# Allegro board pc053c_toplevel_43solder.brd (continued)
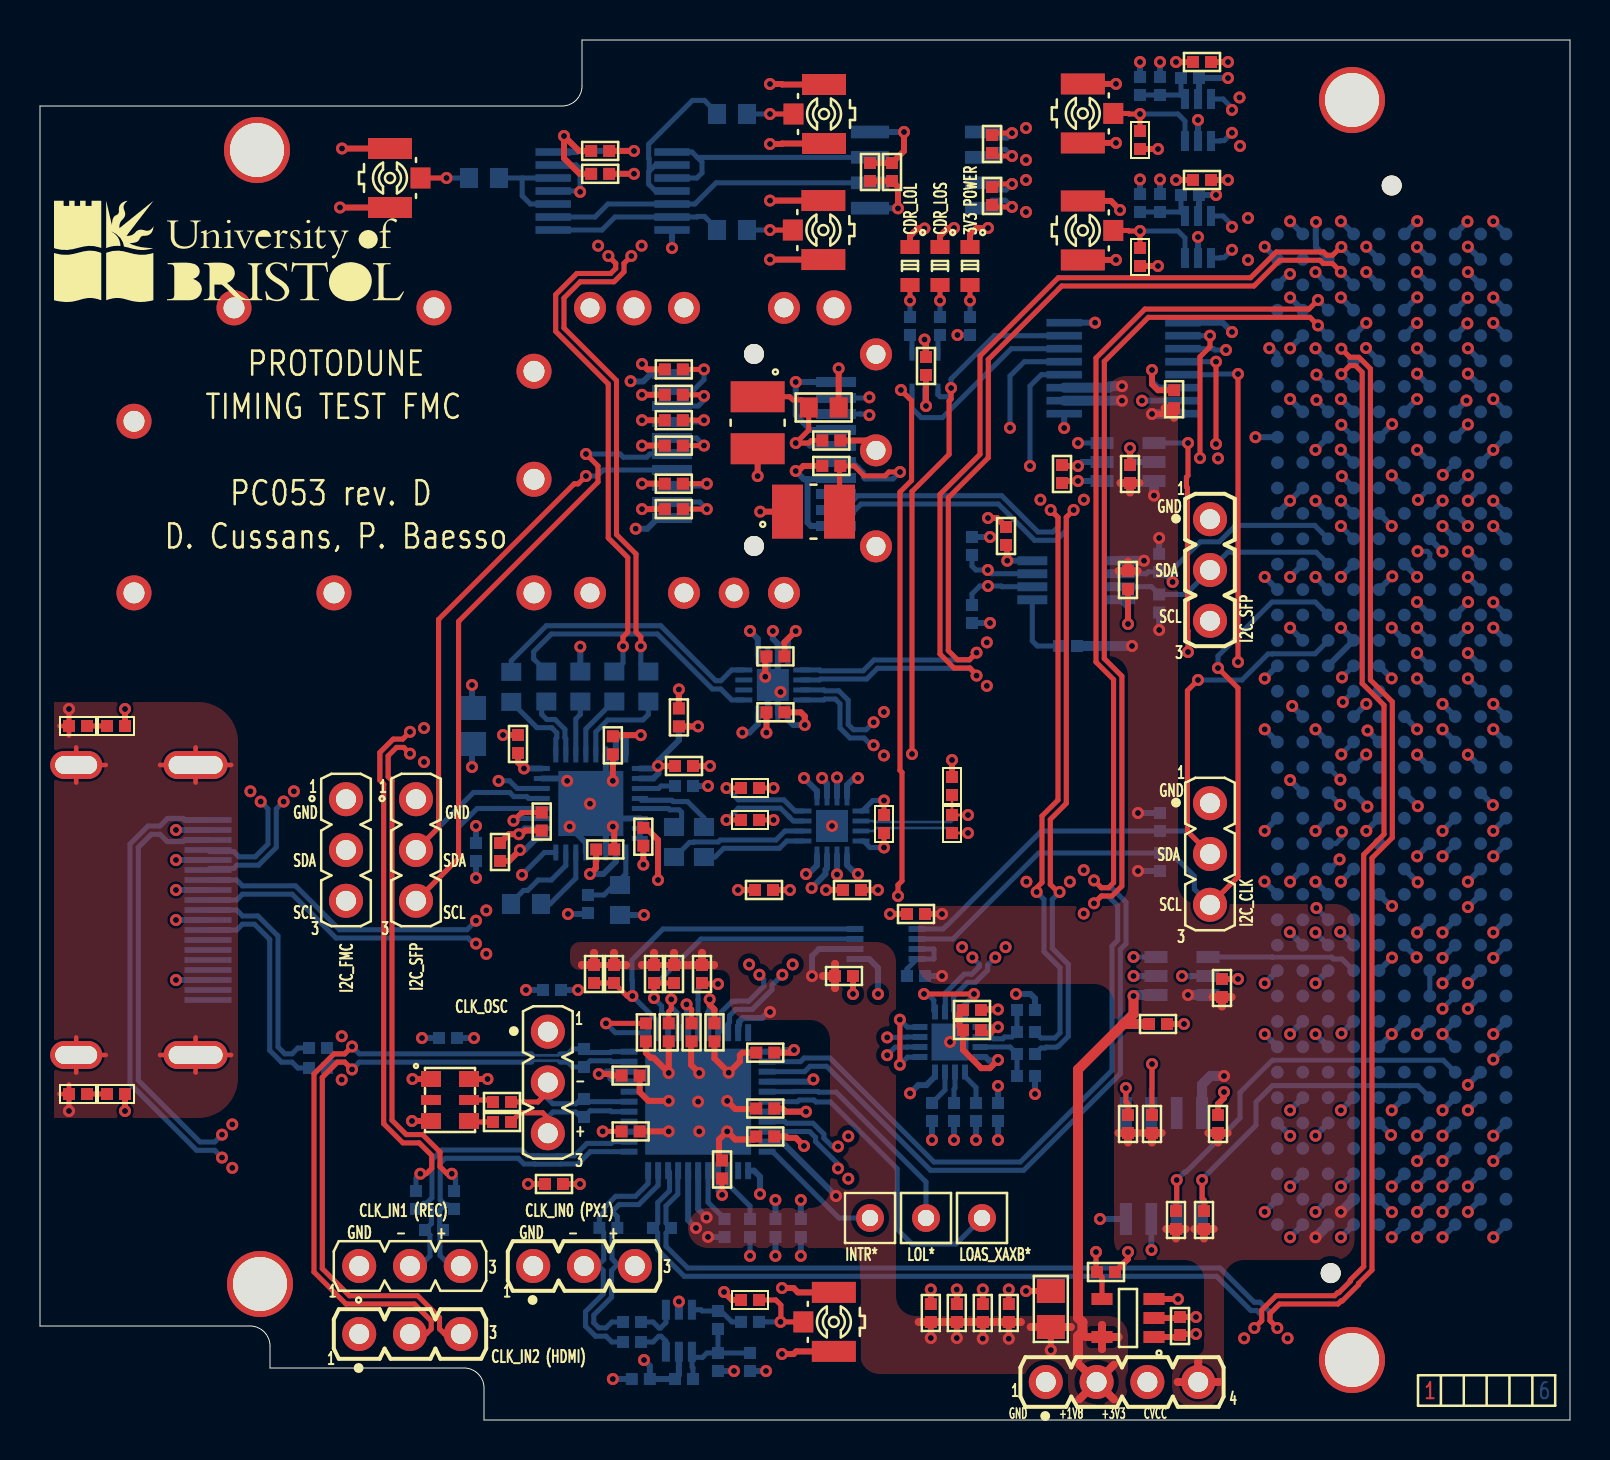
[diagram p0: board, top side]
## Routing (per net, layer and track width the routed paths; a pad name or vN(x,y) marks a point on that pad's centre or on a via; arc(x,y) is an arc through that point) (continued)
P3V3: length 123.4
  TOP w0.3: C45.2 37.29,14.18 37.36,14.11 37.79,14.11 v1(38.2,13.7) ; C107.2 48.36,43.69 v1(48.36,42.96) ; C72.2 38.04,35.38 38.24,35.19 v1(38.24,34.75) ; C55.1 v1(59.4,67.9) ; REG1.1 56.95,4.15 57,4.1 ; C56.1 v1(59.4,62) ; v1(47.9,20.53) 47.08,20.53 C7.2 ; C32.2 37.13,15.57 37.28,15.42 v1(38.3,15.42) ; v1(27.5,27.3) 27.79,27.59 27.79,27.93 27.81,27.95 C36.2 ; C8.2 47.05,19.4 47.1,19.35 47.53,19.35 47.82,19.64 v1(47.9,19.64) ; v1(51.9,46.95) 51.2,46.95 C66.2 ; R24.2 v1(30.1,49.99) ; v1(30.1,52.8) 30.37,52.53 R22.1 ; R57.2 24.26,29.47 24.07,29.29 v1(23.94,29.29) 23.44,29.29 C30.2 ; QZ1.1 v1(18.62,17.05) ; v1(43.2,64.4) 43.2,63.45 C57.2 C58.2 ; C40.2 v1(30.9,32.7) ; C34.2 v1(32.9,34.68) ; v1(24.2,32.58) 23.9,32.88 C37.2 ; C73.2 v1(45.6,33) ; L2.1 v1(36.01,45.42) ; v1(57.8,4.3) 57.2,4.3 57,4.1 ; v1(33.48,21.03) 33.48,20.77 33.72,20.53 C49.2 ; C69.2 v1(37.5,26.5) ; C15.2 44.3,53.8 44.23,53.87 v1(44.23,54.02) ; v1(30.04,34.24) 28.7,34.24 C33.2 ; C70.2 v1(41.9,26.5) ; C31.2 28.58,17.22 28.5,17.3 v1(27.94,17.3) ; v1(29.7,63.45) C59.2 ; 57,4.1 C9.2 ; C29.2 v1(30.17,27.77) ; L1.2 v1(35.88,47.2) ; C60.2 v1(29.7,62.31) ; v1(22.38,17.05) QZ1.6 ; v1(37.7,18.5) 37.57,18.37 C46.2 ; R29.1 v1(30.1,45.55) ; C71.2 37.22,38.88 v1(37.79,39.45) ; R23.1 v1(30.1,51.26) ; C48.2 v1(27,11.8) ; REG1.3 v1(56.9,6.05) ; R28.1 v1(30.1,46.81) ; R25.2 v1(30.1,48.72)
  L5_PWR w0.4: 54.34,1.9 J11.3 ; J11.3 56.4,1.9 ; J11.3 55.37,0.87 ; J11.3 55.37,2.93
  BOTTOM w0.3: v1(29.7,63.45) 26.88,63.45 26.83,63.4 IC9.14 ; IC3.9 47.01,19.64 v1(47.9,19.64) ; v1(40.9,32.1) 40.7,32.1 40.35,31.75 IC13.16 ; C35.2 v1(21.6,32.65) ; P1.D36 v1(68.85,14.21) ; IC12.2 30.67,32.08 30.92,32.33 30.92,32.59 ; IC4.18 33.41,20.38 33.48,20.46 v1(33.48,21.03) ; v1(38.67,17.03) 38.55,16.92 IC4.26 ; v1(59.4,67.1) R35.2 57.95,66.5 57.9,66.45 IC6.5 ; IC17.16 35.89,34.79 35.47,34.37 v1(35.12,34.37) ; v1(38.2,32.1) 38.85,31.45 IC13.13 ; v1(44.23,54.02) 44.23,53.87 44.25,53.85 IC18.5 ; IC13.8 38.85,27.73 38.42,27.3 v1(38.3,27.3) ; v1(51.9,46.95) IC14.1 ; IC12.32 29.29,34.23 29.28,34.24 ; R4.2 v1(45.7,14) ; IC12.31 28.79,34.01 29.02,34.24 29.28,34.24 ; 28.52,17.42 IC4.9 ; 28.52,17.42 28.52,17.1 28.7,16.92 IC4.8 ; 28.52,17.42 28.32,17.42 28.2,17.3 v1(27.94,17.3) ; v1(43.5,16.34) 43.91,16.74 44.32,16.74 44.75,17.18 IC3.16 ; IC5.5 31.94,2.25 R32.2 C54.1 30.49,2.71 v1(30.2,3) ; IC17.8 37.39,39.05 v1(37.79,39.45) ; IC12.1 30.91,32.58 30.92,32.59 ; 30.92,32.59 30.92,32.97 31.94,33.99 C34.2 v1(32.9,34.68) ; IC7.5 57.9,60.6 57.95,60.65 R37.2 v1(58.8,61.25) ; IC12.18 24.23,29.58 v1(23.94,29.29) ; v1(35.5,39.45) 35.89,39.06 IC17.5 ; v1(38.24,34.75) 37.67,34.75 37.39,35.03 IC17.13 ; v1(40.9,27.3) 40.8,27.3 40.35,27.75 IC13.5 ; IC8.8 v1(43.2,64.4) ; IC4.23 37.07,18.42 37.16,18.5 v1(37.7,18.5) ; v1(47.5,39.85) R140.1 ; IC12.12 27.79,27.59 v1(27.5,27.3) 28.17,27.3 28.79,27.92 IC12.10 ; C10.2 v1(36.77,11) ; v1(30.04,34.24) 29.28,34.24 ; P1.C39 v1(70.12,10.41) ; C3.1 v1(21.7,19.1) ; v1(36,11.3) 36,12.17 35.7,12.47 35.41,12.47 ; P1.D38 v1(68.85,11.68) ; IC12.24 v1(24.2,32.58) ; IC15.8 v1(48.36,42.96) ; v1(47.5,44.15) R411.1 ; C47.2 v1(38.04,11) ; C6.1 v1(24.3,21.5) ; P1.D40 v1(68.85,9.13) ; v1(38.3,15.42) IC4.29 ; C5.1 v1(47.9,16.7) ; R56.2 v1(45.87,54.25) ; IC10.1 v1(51.21,49.6) ; C4.1 v1(21.8,29.7)
P12V: length 5
  L4_SIGN w0.3: v1(70.12,12.95) 70.93,13.75 70.93,14.68 v1(70.12,15.48)
  BOTTOM w0.3: P1.C35 v1(70.12,15.48) ; P1.C37 v1(70.12,12.95)
CDR_LOL: length 58.4
  TOP w0.254: v1(43.05,51.5) 43.58,50.97 43.58,46.98 43,46.4 43,32.48 43.1,32.38 43.1,26.95 42.9,26.75 v1(42.9,26.2)
  L3_SIGN w0.254: v1(24.1,27.26) 25.45,25.91 42.61,25.91 v1(42.9,26.2)
  BOTTOM w0.254: v1(24.1,27.26) 25.22,28.38 IC12.16 ; 43.6,51.09 43.6,50.58 44.06,50.12 45.12,50.12 48.56,53.56 IC10.6 ; 43.6,51.09 IC18.3 ; 43.6,51.09 43.46,51.09 v1(43.05,51.5)
CDR_LOS: length 52
  TOP w0.254: v1(45.55,51.6) 45.55,51.05 45.45,50.95 45.45,48.28 43.6,46.43 v1(43.6,33.3)
  L3_SIGN w0.254: v1(22.93,31.96) 23.58,31.3 26.52,31.3 26.82,31.6 28,31.6 28.58,31.02 35.22,31.02 36.9,32.7 39.61,32.7 39.61,32.7 41.1,32.7 41.12,32.68 41.14,32.68 41.17,32.65 42.43,32.65 42.49,32.7 43,32.7 v1(43.6,33.3)
  BOTTOM w0.254: IC12.22 23.86,31.58 23.48,31.96 v1(22.93,31.96) ; IC18.1 44.9,51.27 45.01,51.16 45.37,51.16 45.55,51.35 v1(45.55,51.6) 45.55,52.05 47.71,54.22 51.21,54.22
CLK_IN0_N: length 13
  BOTTOM w0.254: C26.2 28.6,3.9 28.3,4.19 27.77,4.19 27.28,4.69 27.28,5.42 28.16,6.31 28.16,7.48 27.91,7.73 27.9,7.73 ; 30.41,12.47 30.41,11.82 29.77,11.19 28.79,11.19 28.21,10.61 28.21,10.41 27.97,10.17 R9.2 28.19,9.39 28.19,8.02 27.9,7.73 ; 27.9,7.73 27.23,7.73 J9.2
CLK_IN0_P: length 12.6
  BOTTOM w0.254: 28.92,7.73 28.83,7.73 28.58,7.48 28.58,6.14 27.69,5.25 27.69,4.86 27.94,4.61 28.3,4.61 28.6,4.9 C23.2 ; 28.92,7.73 29.71,7.73 J9.3 ; 28.92,7.73 28.71,7.94 28.71,7.95 28.6,8.06 28.6,9.34 28.87,9.6 28.87,10.17 28.63,10.41 28.63,10.44 28.96,10.77 29.94,10.77 30.91,11.74 30.91,12.47
CLK_IN1_N: length 17.6
  BOTTOM w0.254: 19.32,10.83 19.18,10.83 18.9,10.55 C27.2 ; 19.32,10.83 19.6,11.11 19.6,13 20.09,13.5 24.09,13.5 24.37,13.21 24.92,13.21 24.92,13.21 25.86,13.21 25.87,13.21 26.73,13.21 27.35,13.83 28.56,13.83 28.64,13.92 IC4.2 ; 19.32,10.83 19.57,10.58 19.57,9.87 19.57,9.87 19.57,9.82 R11.1 19.5,9.25 19.5,8.2 19.03,7.73 18.53,7.73 J3.2
CLK_IN1_P: length 16.7
  BOTTOM w0.254: J3.3 21.01,7.73 20.5,7.73 20,8.23 20,9.35 R11.2 19.99,9.66 19.99,10.5 20.24,10.75 20.27,10.75 ; 20.27,10.75 20.01,11.01 20.01,12.83 20.26,13.09 23.91,13.09 24.2,12.8 24.74,12.8 24.75,12.79 26.03,12.79 26.04,12.8 26.9,12.8 27.52,13.42 IC4.1 ; 20.27,10.75 20.41,10.75 20.61,10.55 C24.2
CLK_IN2_N: length 36.6
  TOP w0.254: v1(15.6,18.67) 15.23,18.31 14.7,18.31 13.7,17.3 13.7,7.4 15.3,5.8 18.71,5.8 19.56,4.95 19.56,4.55 19.31,4.3 J1.2
  BOTTOM w0.14: 26,18.31 25.96,18.31 25.89,18.23 24.69,18.23 24.62,18.31 24.58,18.31
  BOTTOM w0.254: IC4.11 28.57,18.42 28.52,18.37 27.38,18.37 R8.2 26.63,18.55 26.39,18.31 26,18.31 ; C28.2 14.64,18.31 15.23,18.31 v1(15.6,18.67) 15.97,18.31 24.58,18.31
CLK_IN2_P: length 36
  TOP w0.254: J1.3 20.23,4.3 19.98,4.55 19.98,5.12 18.89,6.21 15.47,6.21 14.11,7.57 14.11,17.13 14.87,17.89 15.23,17.89 v1(15.6,17.53)
  BOTTOM w0.14: 24.58,17.89 24.62,17.89 24.69,17.96 25.89,17.96 25.96,17.89 26,17.89
  BOTTOM w0.254: 26,17.89 26.39,17.89 26.63,17.65 R8.1 27.51,17.96 28.52,17.96 28.57,17.92 IC4.10 ; 24.58,17.89 15.97,17.89 v1(15.6,17.53) 15.23,17.89 14.64,17.89 C22.2
CLK_RST: length 27.8
  TOP w0.254: v1(33.9,21.8) 33.15,21.8 R16.1
  L3_SIGN w0.254: v1(54.67,23.15) 54.02,22.5 46.1,22.5 45,23.6 35.07,23.6 33.9,22.43 v1(33.9,21.8)
  BOTTOM w0.25: IC16.3 v1(54.67,23.15)
  BOTTOM w0.254: IC4.17 32.91,20.05 32.9,20.05 32.9,21.02 32.9,21.55 33.16,21.8 v1(33.9,21.8)
CLK_SCL: length 15.4
  TOP w0.254: v1(30.7,21.1) R41.2 R14.1
  BOTTOM w0.254: IC4.14 31.41,20.08 31.08,20.41 31.08,20.7 30.7,21.08 v1(30.7,21.1) 30.7,21.7 33.05,24.05 IC1.3
CLK_SDA: length 18.2
  TOP w0.254: R40.2 R15.1 29.35,21.2 v1(29.62,21.2)
  BOTTOM w0.254: IC1.4 31.15,24.55 29.6,23 29.6,22 29.62,21.98 v1(29.62,21.2) 30.91,19.91 IC4.13
CTRLVCC: length 0.9
  BOTTOM w0.3: P1.D32 v1(68.85,19.3)
CVCC: length 39.8
  TOP w0.3: C17.2 v1(45.1,25.3) ; v1(55.6,50.3) 56.41,50.3 C61.2
  TOP w0.4: J11.4 57.91,2.93 ; J11.4 56.88,1.9 ; J11.4 58.94,1.9 ; 55.12,14.35 R103.2 ; R103.2 55.6,13.87 ; R103.2 56.08,14.35 ; 54.02,46.85 C68.2 ; C68.2 54.98,46.85 ; C68.2 54.5,46.37 ; 58.42,14.35 C18.2 ; C18.2 59.38,14.35 ; C18.2 58.9,13.87 ; 53.92,42.45 C16.2 ; C16.2 54.88,42.45 ; C16.2 54.4,42.93 ; 54.4,13.87 R39.2 ; R39.2 53.92,14.35 ; R39.2 54.88,14.35 ; R1328.2 58.68,9.55 ; R1328.2 58.2,9.07 ; R1328.2 57.72,9.55 ; 56.32,9.55 R138.2 ; R138.2 56.8,9.07 ; R138.2 57.28,9.55 ; 56.7,50.11 C61.2 56.23,50.59 ; 58.62,21.15 C67.2 ; C67.2 59.58,21.15 ; C67.2 59.1,20.67
  BOTTOM w0.3: R143.2 v1(55.96,44.1) ; R142.2 v1(55.96,39.5) ; R242.2 v1(54.9,30.35) ; v1(45.1,22.2) R1.2 ; R43.2 v1(54.9,27.45)
  BOTTOM w0.5: v1(59.2,17.2) 58.52,17.2 58.1,16.78 IC2.8 ; IC15.1 v1(55.2,42.96) ; IC10.16 56.11,50.31 56.1,50.3 v1(55.6,50.3) ; v1(57.4,21.25) IC16.6 ; P1.G39 v1(65.04,10.41) ; v1(54.6,38.7) R42.2 ; 51.21,51.62 53.45,51.62 53.52,51.69 v1(54.1,51.69) ; v1(55.7,46.22) IC14.6 ; IC10.2 v1(54.1,50.97) ; P1.H40 v1(63.77,9.13)
F_CDR_CLK_N: length 4
  BOTTOM w0.254: R55.1 24.85,34.62 25.58,34.62 25.84,34.36 25.84,34.11 25.79,34.06 IC12.25
F_CDR_CLK_P: length 3.5
  BOTTOM w0.254: R54.1 25.09,35.69 25.09,35.28 25.34,35.02 25.75,35.02 26.24,34.53 26.24,34.11 26.29,34.06 IC12.26
F_CDR_D_N: length 64.7
  TOP w0.254: v1(29.15,38.69) 29.15,39.15 29.39,39.39 29.39,43.13 28.41,44.1 28.41,51.8 25.79,54.43 25.79,56.27 26.84,57.33 28.53,57.33 28.79,57.58 28.79,57.83 v1(28.42,58.2)
  L3_SIGN w0.2: v1(63.82,51) 63.41,51.41 62.92,51.41 62.73,51.6 61.84,51.6 61.5,51.26 58.58,51.26 52.9,56.95 30.9,56.95 30.87,56.92 29.23,56.92 28.77,57.38 28.77,57.85 v1(28.42,58.2)
  BOTTOM w0.254: R53.2 29.15,37.86 v1(29.15,38.69) ; P1.H8 v1(63.82,51)
F_CDR_D_P: length 64
  TOP w0.254: v1(29.57,58.2) 29.2,57.83 29.2,57.41 28.7,56.91 27.01,56.91 26.2,56.1 26.2,54.6 28.83,51.97 28.83,44.27 29.8,43.3 29.8,39.39 30.04,39.15 v1(30.04,38.69)
  L3_SIGN w0.2: v1(29.57,58.2) 29.22,57.85 29.22,57.57 29.42,57.37 30.68,57.37 30.71,57.4 53.08,57.4 58.77,51.71 61.31,51.71 61.65,52.05 62.92,52.05 63.11,51.86 63.41,51.86 v1(63.82,52.27)
  BOTTOM w0.254: R52.2 30.04,37.8 v1(30.04,38.69) ; P1.H7 v1(63.82,52.27)
F_FMC_CLK_N: length 91.7
  TOP w0.254: v1(60.72,4.6) 61.09,4.97 61.09,5.5 61.8,6.21 64.73,6.21 64.88,6.36 64.94,6.36 65.52,6.94 65.52,7 66.19,7.67 66.19,28.27 67.2,29.29 67.2,35.74 66.11,36.83 66.11,52.39 65.77,52.72 65.49,52.72 v1(65.07,52.29)
  BOTTOM w0.254: P1.G7 v1(65.07,52.29) ; 31.41,12.47 31.48,12.4 31.48,11.46 30.89,10.87 30.89,9.84 R18.1 30.89,9.36 30.89,8.51 32.21,7.19 58.83,7.19 60.54,5.47 60.83,5.47 61.09,5.22 61.09,4.97 v1(60.72,4.6)
F_FMC_CLK_P: length 92.3
  TOP w0.254: v1(61.87,4.6) 61.5,4.97 61.5,5.33 61.97,5.8 64.9,5.8 65.05,5.95 65.11,5.95 65.93,6.77 65.93,6.83 66.6,7.5 66.6,28.1 67.61,29.11 67.61,35.91 66.52,37 66.52,52.56 65.95,53.14 65.49,53.14 v1(65.07,53.56)
  BOTTOM w0.254: P1.G6 v1(65.07,53.56) ; 31.91,12.47 31.89,12.45 31.89,11.29 31.3,10.7 31.3,9.85 R18.2 31.3,9.35 31.3,8.69 32.39,7.6 59,7.6 60.71,5.89 61,5.89 61.5,5.39 61.5,4.97 v1(61.87,4.6)
F_GPIO_OUT0_N: length 27.7
  TOP w0.254: v1(48.6,60.65) 47.75,60.65 47.65,60.75 R45.1
  L4_SIGN w0.2: v1(65.04,48.52) 64.65,48.92 64.18,48.93 63.77,49.35 62.35,49.35 60.43,51.27 60.43,54.93 55.09,60.27 54.74,60.27 54.53,60.48 54.53,60.72 54.22,61.03 53.78,61.03 53.75,61 48.95,61 v1(48.6,60.65)
  BOTTOM w0.254: IC8.4 47.6,60.99 48.26,60.99 v1(48.6,60.65) ; P1.G10 65.04,48.51 v1(65.04,48.52)
F_GPIO_OUT0_P: length 27.5
  TOP w0.254: R45.2 47.75,61.8 v1(48.6,61.8)
  L4_SIGN w0.2: v1(48.6,61.8) 48.95,61.45 53.57,61.45 53.59,61.48 54.41,61.48 55.16,60.72 55.28,60.72 60.88,55.12 60.88,51.46 62.54,49.8 63.96,49.8 64.38,49.38 64.66,49.37 v1(65.07,49.76)
  BOTTOM w0.254: P1.G9 65.07,49.75 v1(65.07,49.76) ; IC8.3 47.56,61.5 48.3,61.5 v1(48.6,61.8)
F_GPIO_OUT1_N: length 68.8
  TOP w0.254: v1(48.6,64.35) 47.7,64.35 R46.1
  L4_SIGN w0.2: v1(65.01,30.76) 65.48,31.22 72.02,31.22 74.62,33.82 74.62,60.58 72.07,63.13 56.23,63.13 56.12,63.02 55.68,63.02 55.57,63.13 51.37,63.13 50.5,64 48.95,64 v1(48.6,64.35)
  BOTTOM w0.254: IC8.1 47.5,64.1 48.35,64.1 v1(48.6,64.35) ; P1.H23 v1(65.01,30.76)
F_GPIO_OUT1_P: length 67.4
  TOP w0.254: v1(48.6,63.2) 47.75,63.2 R46.2
  L4_SIGN w0.2: v1(48.6,63.2) 48.95,63.55 50.31,63.55 51.18,62.68 55.38,62.68 55.49,62.57 56.31,62.57 56.42,62.68 71.88,62.68 74.16,60.39 74.16,34.01 71.83,31.67 65.36,31.67 v1(65.02,32.02)
  BOTTOM w0.254: IC8.2 47.6,63.53 48.27,63.53 v1(48.6,63.2) ; P1.H22 v1(65.02,32.02)
F_MCX_CLK_N: length 2
  BOTTOM w0.254: C26.1 30.65,3.9 30.94,4.19 31.05,4.19 31.29,3.95 IC5.6
F_MCX_CLK_P: length 2.1
  BOTTOM w0.254: IC5.1 31.29,4.87 31.03,4.6 30.95,4.6 30.65,4.9 C23.1
F_RJ45_CLK_N: length 11.4
  BOTTOM w0.254: J7.10 9.83,25.5 10.13,25.2 10.9,25.2 11.9,24.2 11.9,18.65 12.24,18.31 12.6,18.31 12.9,18.6 C28.1
F_RJ45_CLK_P: length 11.4
  BOTTOM w0.254: C22.1 12.9,17.6 12.6,17.89 12.07,17.89 11.49,18.48 11.49,24.03 10.73,24.79 10.12,24.79 9.83,24.5 J7.12
F_RJ45_D_N: length 64.4
  L3_SIGN w0.2: v1(65.14,35.9) 65.1,35.9 64.71,36.29 62.13,36.29 61.54,35.7 47.76,35.7 45.7,35.7 45.45,35.95 38.45,35.95 37.73,35.23 19.65,35.23 19.63,35.25 19.17,35.25 19.15,35.23 13.93,35.23 11.83,33.13 11.83,31.27 v1(12.18,30.92)
  BOTTOM w0.254: v1(12.18,30.92) 11.81,30.55 11.81,28.63 10.93,27.74 9.85,27.74 9.69,27.58 8.59,27.58 8.58,27.57 8.47,27.57 J7.6 ; P1.G19 v1(65.14,35.9)
F_RJ45_D_P: length 64.6
  L3_SIGN w0.2: v1(11.03,30.92) 11.38,31.27 11.38,33.32 13.74,35.69 18.96,35.69 18.98,35.71 19.82,35.71 19.84,35.69 37.54,35.69 38.26,36.41 45.64,36.41 45.89,36.15 47.11,36.15 61.35,36.15 61.94,36.74 64.71,36.74 v1(65.1,37.13)
  BOTTOM w0.254: J7.4 8.47,28.43 8.58,28.43 8.59,28.42 9.69,28.42 9.95,28.16 10.76,28.16 11.4,28.8 11.4,30.55 v1(11.03,30.92) ; P1.G18 v1(65.1,37.13)
F_SFP_N: length 29.9
  TOP w0.254: R60.1 v1(42.2,28.62)
  L4_SIGN w0.2: v1(41.47,51.13) 41.92,51.13 42.14,50.92 43.03,50.92 44.65,49.29 44.65,30.75 43.45,29.55 42.4,29.55 42.2,29.35 v1(42.2,28.62)
  BOTTOM w0.254: v1(42.2,28.62) 41.5,28.62 41.17,28.95 IC13.4 ; v1(41.47,51.13) 41.44,51.1 J4.12
F_SFP_P: length 28.5
  TOP w0.254: R60.2 v1(42.2,30.98)
  L4_SIGN w0.2: v1(42.2,30.98) 42.2,30.31 42.51,30 43.26,30 44.2,30.94 44.2,49.1 42.84,50.46 42.14,50.46 41.92,50.24 v1(41.47,50.24)
  BOTTOM w0.254: v1(42.2,30.98) 41.65,30.98 41.12,30.45 IC13.1 ; v1(41.47,50.24) 41.41,50.3 41.04,50.3 J4.13
FMC_GA0: length 20.9
  TOP w0.254: v1(56.83,12) 56.83,10.79 56.8,10.75 R138.1
  BOTTOM w0.254: IC2.2 v1(56.83,12) 57.23,12.4 57.3,12.4 60,15.1 60,16.37 61.62,17.99 70.16,17.99 P1.C34
FMC_GA1: length 17.8
  TOP w0.254: R1328.1 58.2,11 58.1,11.1 v1(58.1,12)
  BOTTOM w0.254: P1.D35 68.89,16.72 68.47,16.72 68.47,16.72 67.97,16.72 67.97,16.72 67.2,16.72 67.2,16.72 66.7,16.72 66.7,16.72 65.93,16.72 65.93,16.72 65.43,16.72 65.43,16.72 64.66,16.72 64.66,16.72 64.16,16.72 64.16,16.72 63.39,16.72 63.39,16.72 61.62,16.72 60.8,15.9 60.8,14.74 58.12,12.05 58.12,12.01 v1(58.1,12) IC2.1
FMC_LA07_N: length 11.7
  BOTTOM w0.254: IC15.3 55.57,41.66 R142.1 57.28,41.28 J10.2 59.39,43.39 63.81,43.39 P1.H14
FMC_LA07_P: length 15.2
  L4_SIGN w0.254: v1(56.63,41.9) 57.02,41.51 57.02,41.44 J10.3
  BOTTOM w0.254: P1.H13 63.74,44.73 59.79,44.73 58.97,43.91 58.01,43.91 56.63,42.53 v1(56.63,41.9) 56.6,41.9 56.09,42.41 R143.1 55.4,42.41 55.31,42.31 IC15.2
FMC_LA11_N: length 33.9
  TOP w0.254: J8.2 57.37,29.43 57.37,36.47 v1(57.9,37)
  BOTTOM w0.254: P1.H17 64.41,38.97 63.75,38.31 61.62,38.31 61.61,38.3 61.4,38.3 60.1,37 v1(57.9,37) ; IC1.5 45.15,24.55 45.32,24.72 45.34,24.72 50.07,29.45 R242.1 57.35,29.45 J8.2
FMC_LA11_P: length 38.2
  TOP w0.254: v1(58.9,37.6) 59.9,36.6 59.9,27.16 J8.3
  BOTTOM w0.254: J8.3 57.72,26.54 57.72,27.18 56.55,28.35 R43.1 49.94,28.35 45.64,24.05 IC1.6 ; v1(58.9,37.6) 58.9,38.2 61.6,40.9 63.76,40.9 P1.H16
FMC_SCL: length 67.5
  TOP w0.254: v1(55.6,17.8) R103.1
  L3_SIGN w0.254: v1(70.12,21.84) 69.49,21.2 61,21.2 57.6,17.8 v1(55.6,17.8) 52.72,17.8 50.62,15.7 42.9,15.7 39.1,19.5 29.9,19.5 28.6,20.8 20.46,20.8 J6.3
  BOTTOM w0.254: P1.C30 v1(70.12,21.84) ; IC2.6 55.56,16.55 55.6,16.59 v1(55.6,17.8)
FMC_SDA: length 71.8
  TOP w0.254: R39.1 54.4,15.8 54.29,15.91 v1(54.29,16.6)
  L3_SIGN w0.254: J6.2 13.6,26.8 13.6,24.4 17.3,20.7 17.3,20 19.1,18.2 25.66,18.2 27.16,16.7 38.18,16.7 38.43,16.45 40.05,16.45 41.5,15 53.25,15 54.29,16.05 v1(54.29,16.6) 54.85,16.6 54.93,16.68 57.78,16.68 61.27,20.17 69.73,20.17 v1(70.12,20.57)
  BOTTOM w0.254: v1(54.29,16.6) IC2.5 ; P1.C31 v1(70.12,20.57)
FPGA_CDR_LOL: length 15.8
  L3_SIGN w0.254: v1(65.04,45.97) 64.8,46.2 64.68,46.2 63.99,46.9 60.1,46.9 59.31,47.69 59.29,47.69 v1(58.9,48.08)
  L4_SIGN w0.254: v1(58.9,48.08) 59.29,48.47 59.29,48.49 59.49,48.69 59.49,51.92 59.35,52.07 59.35,52.53 59.35,52.54 59.35,53.18 59.3,53.23 v1(59.3,53.5)
  BOTTOM w0.254: v1(59.3,53.5) 58.75,53.5 58.68,53.56 IC10.11 ; P1.G12 v1(65.04,45.97)
FPGA_CDR_LOS: length 17.4
  TOP w0.254: v1(58.5,54.22) 58.5,53.66 58,53.16 v1(58,48.1)
  L3_SIGN w0.254: v1(65.04,44.7) 62.2,44.7 60.6,46.3 59.25,46.3 58,47.55 v1(58,48.1)
  BOTTOM w0.254: P1.G13 v1(65.04,44.7) ; v1(58.5,54.22) 57.15,54.22
FPGA_CLK_RST: length 7.6
  BOTTOM w0.254: P1.G30 65.1,23.05 64.68,23.05 64.59,23.14 61.62,23.14 61.61,23.15 IC16.4
FPGA_SFP_LOS: length 20
  TOP w0.254: v1(58.8,48.8) v1(58.8,52.91)
  L3_SIGN w0.254: v1(58.8,48.8) 60,48.8 61,47.8 64.26,47.8 64.51,47.55 64.51,46.95 64.85,46.61 65.45,46.61 67.01,45.05 67.01,44.46 67.35,44.12 68.2,44.12 v1(68.88,43.44)
  BOTTOM w0.254: v1(68.88,43.44) 69.37,43.44 69.49,43.31 P1.D14 ; IC10.12 v1(58.8,52.91)
FPGA_SFP_TX_DIS: length 25.1
  TOP w0.254: v1(57.4,48.85) 57.4,47.22 57.32,47.14 57.32,46.66 57.37,46.61 57.37,39.49 57.4,39.46 v1(57.4,38.4)
  L3_SIGN w0.254: v1(57.4,38.4) 57.83,38.83 58.97,38.83 59.02,38.88 68.12,38.88 v1(68.85,39.62) 68.81,39.62
  BOTTOM w0.254: v1(57.4,48.85) IC14.4 ; P1.D17 v1(68.85,39.62)
FPGA_SFP_TX_FLT: length 27.2
  TOP w0.254: v1(59.9,52.3) v1(59.9,37.9)
  L3_SIGN w0.254: v1(68.85,38.34) 60.5,38.34 60.45,38.3 60.3,38.3 v1(59.9,37.9)
  BOTTOM w0.254: IC10.13 58.81,52.27 58.85,52.3 v1(59.9,52.3) ; P1.D18 v1(68.85,38.34)
GPIO_IN0_N: length 29.6
  L3_SIGN w0.2: v1(71.41,47.24) 71.01,47.65 71.01,47.78 71.01,48.13 70.73,48.41 70.73,61.47 68.1,64.1 64.81,64.1 63.75,65.16 59.94,65.16 v1(59.6,65.5)
  BOTTOM w0.254: v1(59.6,65.5) 59.6,65.6 59.15,66.05 IC6.6 ; v1(71.41,47.24) 71.41,47.25 P1.C11
GPIO_IN0_P: length 28.7
  L3_SIGN w0.2: v1(70.14,47.26) 70.55,47.66 70.56,47.94 70.28,48.22 70.28,61.28 67.91,63.64 64.62,63.64 63.56,64.7 59.94,64.7 v1(59.6,64.36)
  BOTTOM w0.254: v1(59.6,64.36) 59.21,63.97 59.02,63.97 59,63.95 IC6.1 ; v1(70.14,47.26) 70.14,47.25 P1.C10
GPIO_IN1_N: length 26.5
  L3_SIGN w0.2: v1(70.13,45.97) 69.75,46.37 69.75,46.86 68.66,47.95 68.63,47.95 68.3,48.28 68.3,48.73 68.7,49.13 68.7,50.34 67.85,51.19 67.85,59.15 66.06,60.94 62.09,60.94 60.46,59.31 59.94,59.31 v1(59.6,59.65)
  BOTTOM w0.254: v1(70.13,45.97) P1.D12 ; IC7.6 59.15,60.2 59.6,59.75 v1(59.6,59.65)
GPIO_IN1_P: length 25.6
  L3_SIGN w0.2: v1(59.6,58.51) 59.94,58.85 60.64,58.85 62.28,60.49 65.87,60.49 67.4,58.96 67.4,51 68.25,50.15 68.25,49.32 67.85,48.92 67.85,48.09 68.44,47.5 68.47,47.5 69.3,46.68 69.3,46.38 v1(68.89,46.01)
  BOTTOM w0.254: v1(68.89,46.01) P1.D11 ; IC7.1 59,58.1 59.02,58.12 59.21,58.12 v1(59.6,58.51)